# Altium PCB BEAGLEPLAYV020_220915.brd.PcbDoc (part 5 of 12)
Units mm, origin at the board's own origin, x right, y up, seen from the top; angles counter-clockwise.
Board outline 80 x 80 mm, 8 copper layers (TOP, LYR2_GND, LYR3, LAY4_PWR1, LAY5_PWR2, LAY6, LYR7_GND, BOTTOM), stack 1.545 mm thick; 782 components, 546 nets, 2864 pads, 2056 vias.
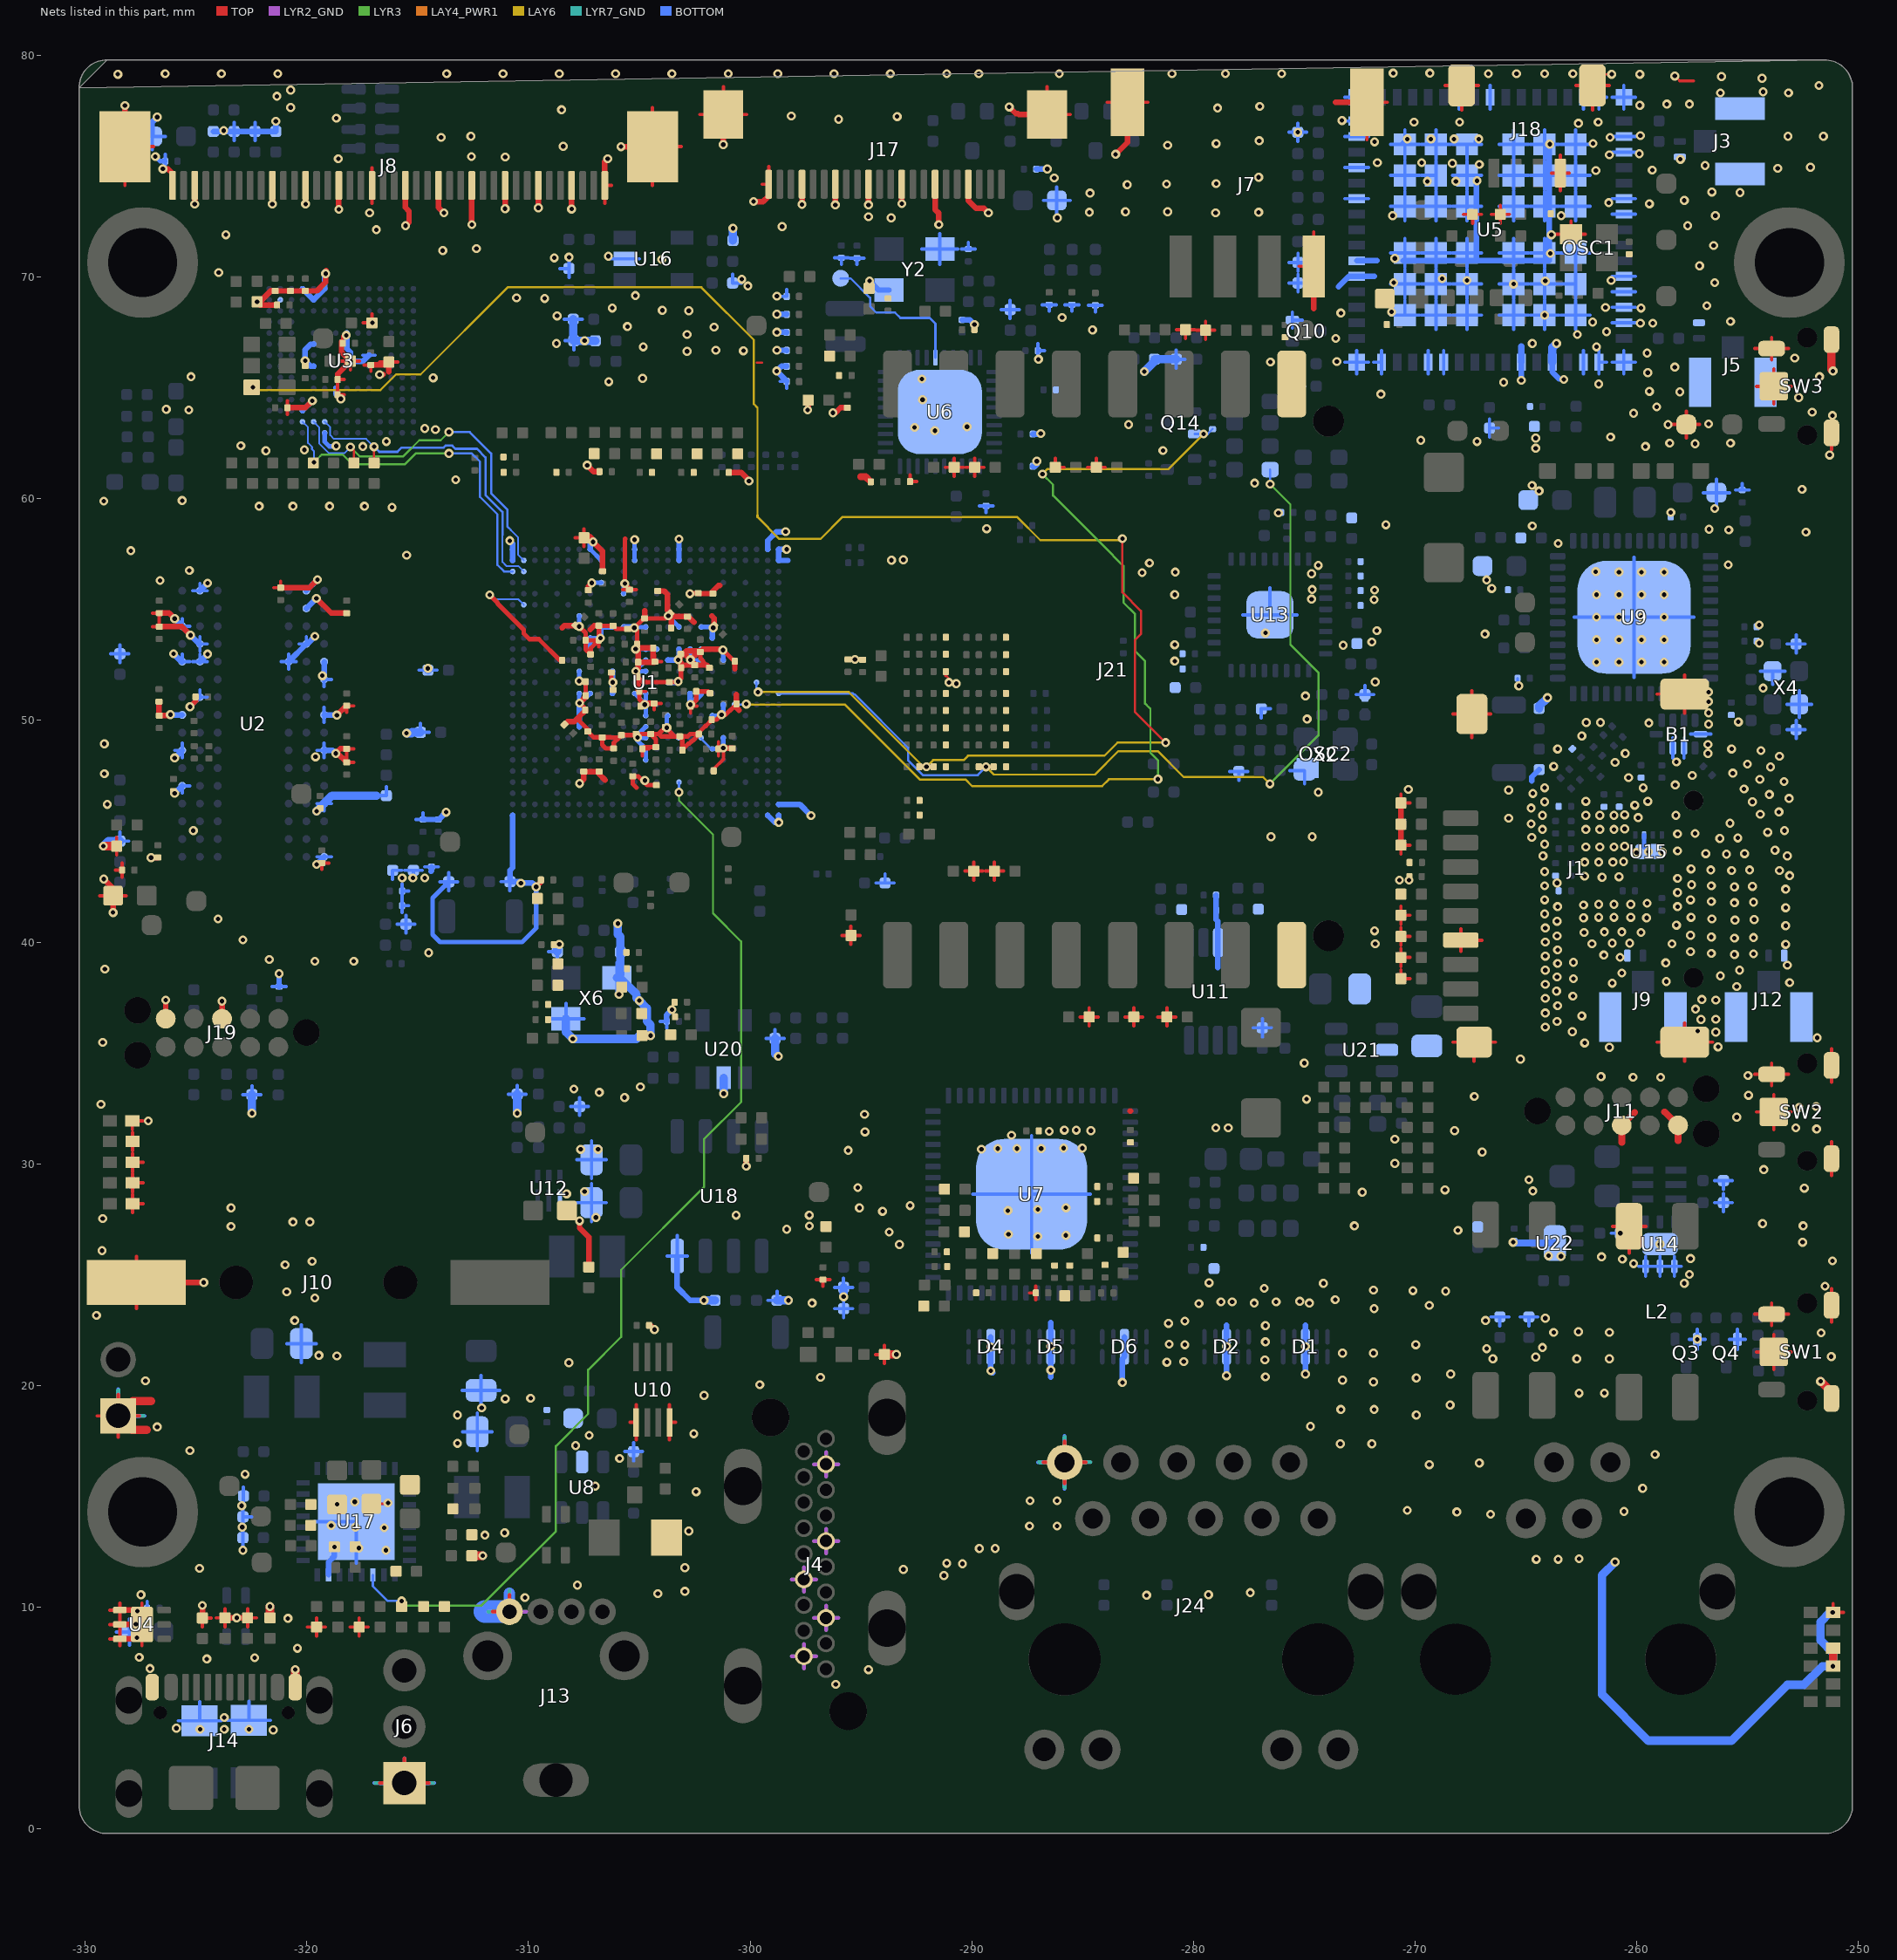
[diagram p11: the nets of this part, all layers, seen from the top]

## Via types
v1: diameter 0.406/0/0.406/0/0/0/0/0.406 (per signal layer), hole 0.203, TOP to BOTTOM, 334 vias
v2: diameter 0.406/0.406/0/0/0/0/0.406/0.406 (per signal layer), hole 0.203, TOP to BOTTOM, 282 vias
v3: diameter 0.406/0/0/0/0/0.406/0/0.406 (per signal layer), hole 0.203, TOP to BOTTOM, 255 vias
v4: diameter 0.406/0.406/0/0/0/0.406/0.406/0.406 (per signal layer), hole 0.203, TOP to BOTTOM, 253 vias
v5: diameter 0.406, hole 0.203, TOP to BOTTOM, 212 vias
v6: diameter 0.406/0.406/0.406/0/0/0.406/0.406/0.406 (per signal layer), hole 0.203, TOP to BOTTOM, 173 vias
v7: diameter 0.406/0/0/0.406/0/0/0/0.406 (per signal layer), hole 0.203, TOP to BOTTOM, 131 vias
v8: diameter 0.406/0/0/0/0.406/0/0/0.406 (per signal layer), hole 0.203, TOP to BOTTOM, 98 vias
v9: diameter 0.406/0.406/0/0.406/0/0/0.406/0.406 (per signal layer), hole 0.203, TOP to BOTTOM, 93 vias
v10: diameter 0.406/0/0.406/0/0/0.406/0/0.406 (per signal layer), hole 0.203, TOP to BOTTOM, 87 vias
v11: diameter 0.406/0.406/0/0.406/0/0.406/0.406/0.406 (per signal layer), hole 0.203, TOP to BOTTOM, 44 vias
v12: diameter 0.406/0.406/0.406/0.406/0/0.406/0.406/0.406 (per signal layer), hole 0.203, TOP to BOTTOM, 40 vias
v13: diameter 0.406/0.406/0.406/0/0/0/0.406/0.406 (per signal layer), hole 0.203, TOP to BOTTOM, 19 vias
v14: diameter 0.406/0/0/0.406/0/0.406/0/0.406 (per signal layer), hole 0.203, TOP to BOTTOM, 15 vias
v15: diameter 0.406/0/0/0/0.406/0.406/0/0.406 (per signal layer), hole 0.203, TOP to BOTTOM, 13 vias
v16: diameter 0.406/0/0.406/0/0.406/0/0/0.406 (per signal layer), hole 0.203, TOP to BOTTOM, 3 vias
v17: diameter 0.406/0/0.406/0.406/0/0/0/0.406 (per signal layer), hole 0.203, TOP to BOTTOM, 3 vias
v18: diameter 0.406/0.406/0.406/0.406/0/0/0.406/0.406 (per signal layer), hole 0.203, TOP to BOTTOM, 1 vias

## Nets (pads, with @x,y where several pads share a name; then routed paths per layer and width w, separated by ;. In a path a pad name is that pad's centre, name@x,y a point inside that pad or via, vN(x,y) a via of type N, cw(c..) or ccw(c..) an arc to the next point about the centre after c; other vN are vias at no path point) (continued)
EMMC_D5: R7.2 U1.AC1 U3.B4 | length 16.1
  TOP w0.102: R7.2@-319.706,61.615 v1(-319.675,61.646)
  LYR3 w0.097: v1(-319.675,61.646) -319.392,61.929 -319.39,61.929 -319.323,61.996 -318.389,61.996 -317.955,61.562 -315.57,61.562 -315.087,62.045 v1(-313.588,62.045)
  BOTTOM w0.081: U3.B4@-320.193,63.475 -319.944,63.226 -319.944,62.515 -319.766,62.336 -319.766,62.235 -319.675,62.145 v1(-319.675,61.646)
  BOTTOM w0.102: v1(-313.588,62.045) -312.56,62.045 -312.191,61.676 -312.191,60.089 -311.404,59.301 -311.404,57.015 -311.108,56.719 U1.AC1@-310.711,56.719
EMMC_D6: R6.2 U1.AD2 U3.B5 | length 16.4
  TOP w0.102: v1(-318.033,62.332) -317.877,62.176 R6.2@-317.877,61.615
  LYR3 w0.097: v1(-318.033,62.332) -317.619,61.918 -315.646,61.918 -314.927,62.636 -313.962,62.636 v1(-313.588,63.01)
  BOTTOM w0.081: U3.B5@-319.693,63.475 -319.444,63.226 -319.444,62.504 -318.992,62.052 -318.313,62.052 v1(-318.033,62.332) ; -310.794,58.59 -310.462,58.258 -310.462,57.471 U1.AD2@-310.211,57.22
  BOTTOM w0.102: v1(-313.588,63.01) -312.649,63.01 -311.683,62.045 -311.683,60.241 -310.947,59.505 -310.947,58.743 -310.794,58.59
EMMC_D7: R5.2 U1.AC2 U3.B6 | length 15.3
  TOP w0.102: v5(-316.967,62.349) -316.956,62.339 -316.956,62.195 -316.963,62.188 R5.2@-316.963,61.615
  BOTTOM w0.081: U3.B6@-319.193,63.475 -318.944,63.226 -318.944,62.874 -318.775,62.705 -317.322,62.705 v5(-316.967,62.349) ; -311.175,58.362 -311.175,57.142 -311.001,56.968 -310.46,56.968 U1.AC2@-310.211,56.719
  BOTTOM w0.102: v5(-316.967,62.349) -316.733,62.116 -315.913,62.116 -315.722,62.306 -313.83,62.306 -313.736,62.4 -313.441,62.4 -313.296,62.255 -312.326,62.255 -311.937,61.867 -311.937,60.165 -311.175,59.403 -311.175,58.362
EMMC_RSTN: D56.2 R182.2 R199.1 U1.N23 | length 83
  TOP w0.102: D56.2@-322.491,65.024 v3(-322.428,65.024) ; R182.2@-292.377,47.914 v3(-292.049,47.914) R199.1@-291.729,47.914 ; v3(-283.21,58.206) -283.21,55.778 -282.372,54.94 -282.372,53.899 -282.651,53.619 -282.651,50.399 v3(-281.254,49.002)
  LAY6 w0.097: v3(-322.428,65.024) -322.304,64.901 -316.684,64.901 -315.976,65.608 -314.866,65.608 -310.937,69.538 -302.203,69.538 -299.835,67.17 -299.835,64.275 -299.669,64.11 -299.669,59.251 ; -297.104,51.283 -295.546,51.283 -292.202,47.939 -292.083,47.939 -292.058,47.914 v3(-292.049,47.914) -291.749,48.213 -290.369,48.213 -290.17,48.412 -284.02,48.412 -283.431,49.002 v3(-281.254,49.002) ; -297.104,58.191 -296.824,58.191 -295.834,59.182 -287.96,59.182 -286.913,58.136 -283.28,58.136 v3(-283.21,58.206)
  LAY6 w0.102: -299.669,59.251 -299.669,59.182 -298.679,58.191 -297.104,58.191 ; v3(-299.644,51.283) -297.104,51.283
  BOTTOM w0.102: U1.N23@-299.711,51.719 -299.711,51.35 v3(-299.644,51.283)
EXTINTN: R160.2 U1.D16 U17.11 | length 49.2
  TOP w0.102: R160.2@-315.722,10.038 v1(-315.722,10.287)
  LYR3 w0.097: v1(-315.722,10.287) -315.519,10.084 -312.115,10.084 -308.762,13.437 -308.762,17.271 -307.304,18.729 -307.304,20.711 -305.816,22.2 -305.816,25.222 -302.082,28.956 -302.082,31.115 -300.406,32.791 -300.406,40.03 -301.676,41.3 -301.676,44.856 -303.211,46.392 v1(-303.211,46.76)
  BOTTOM w0.102: U17.11@-317.021,11.463 -317.021,10.951 -316.357,10.287 v1(-315.722,10.287) ; v1(-303.211,46.76) U1.D16@-303.211,47.22
GBE_CLKO: TP8.1 U6.35 | length 6.9
  BOTTOM w0.102: TP8.1@-295.918,69.943 -295.469,69.943 -294.589,69.063 -294.589,68.682 -294.31,68.402 -293.472,68.402 -293.226,68.157 -291.905,68.157 -291.643,67.894 U6.35@-291.643,66.367
GBE_INTN: Q14.2 R259.2 U1.L21 | length 45.6
  LYR3 w0.097: v10(-286.817,61.112) -286.334,60.63 -286.334,60.148 -284.089,57.902 -284.089,57.9 -283.159,56.97 -283.159,55.321 -282.651,54.813 -282.651,53.142 -282.184,52.675 -282.184,50.762 -282.015,50.593 -281.945,50.523 -281.945,48.547 -281.607,48.209 v10(-281.607,47.357)
  LAY6 w0.097: -297.104,50.724 -295.733,50.724 -292.346,47.337 -290.288,47.337 -289.992,47.041 -284.124,47.041 -283.817,47.348 -281.633,47.348 -281.624,47.357 v10(-281.607,47.357) ; v10(-286.817,61.112) -286.582,61.347 -281.121,61.347 v3(-279.545,62.924)
  LAY6 w0.102: v3(-300.177,50.742) -300.159,50.724 -297.104,50.724
  BOTTOM w0.102: U1.L21@-300.711,50.719 -300.199,50.719 v3(-300.177,50.742) ; Q14.2@-279.952,62.924 v3(-279.545,62.924) -279.363,62.924 R259.2@-279.142,63.144
GBE_RSTN: D32.2 R183.2 R200.1 U1.M25 | length 42
  TOP w0.102: R183.2@-289.686,47.914 -289.493,47.914 -289.488,47.908 v3(-289.361,47.908) -289.277,47.908 -289.271,47.914 R200.1@-289.019,47.914
  LYR3 w0.097: v10(-276.554,47.143) -274.371,49.327 -274.371,52.161 -275.631,53.422 -275.631,59.745 v1(-276.546,60.661)
  LAY6 w0.097: v3(-289.361,47.908) -289.255,47.803 -289.246,47.803 -289.004,47.56 -284.448,47.56 -283.393,48.616 -281.61,48.616 -280.441,47.447 -276.86,47.447 v10(-276.554,47.143) v10(-276.554,47.143)
  BOTTOM w0.102: U1.M25@-298.711,51.22 -295.364,51.22 -295.316,51.172 -295.281,51.172 -292.879,48.77 -292.879,48.204 -292.207,47.533 -289.736,47.533 v3(-289.361,47.908) ; v1(-276.546,60.661) D32.2@-276.546,61.316
GND: B1.2 B1.3 B1.10 C2.2 C3.2 C4.2 C5.2 C6.2 C7.2 C8.2 C9.2 C10.2 C11.2 C16.2 C17.2 C18.2 C20.2 C22.2 C23.2 C24.2 C29.2 C30.2 C31.2 C32.2 C33.2 C34.2 C35.2 C36.2 C37.2 C38.2 C39.2 C40.2 C41.2 C42.2 C43.2 C44.2 C46.2 C47.2 C48.2 C49.2 C50.2 C51.2 C52.2 C53.2 C54.2 C55.2 C56.2 C57.2 C58.2 C59.2 C60.2 C61.2 C62.2 C63.2 C64.2 C65.2 C66.2 C67.2 C68.2 C69.2 C70.2 C71.2 C72.2 C73.2 C74.2 C75.2 C76.2 C77.2 C78.2 C79.2 C80.2 C81.2 C83.2 C84.2 C85.2 C86.2 C87.2 C88.2 C89.2 C90.1 C91.2 C92.2 C93.2 C94.2 C95.2 C96.2 C99.2 C100.2 C101.2 C102.2 C103.2 C104.2 C105.1 C107.2 C108.2 C109.2 C110.2 C111.2 C112.2 C113.2 C114.2 C115.2 C116.2 C117.2 C118.2 C119.2 C120.2 C122.2 C123.2 C124.2 C125.2 C126.2 C127.2 C128.2 C129.2 C130.2 C131.2 C132.2 C133.2 C134.2 C135.2 C136.2 C137.2 C138.2 C139.2 C140.2 C141.2 C142.2 C143.2 C144.2 C145.2 C146.2 C147.2 C148.2 C149.2 C150.2 C151.2 C152.2 C153.2 C154.2 C155.2 C156.2 C157.2 C158.2 C159.2 C160.2 C161.2 C162.2 C163.2 C164.2 C165.2 C166.2 C167.2 C168.2 C169.2 C170.2 C171.2 C172.2 C173.2 C174.2 C175.2 C176.2 C177.2 C178.2 C179.2 C180.2 C181.2 C182.2 C183.2 C184.2 C185.2 C186.2 C187.2 C188.2 C189.2 C190.2 C191.2 C192.2 C193.2 C194.2 C195.2 C196.2 C197.2 C198.2 C199.2 C200.2 C201.2 C202.2 C203.2 C204.2 C205.2 C206.2 C207.2 C208.2 C209.2 C210.2 C211.2 C212.2 C213.2 C214.2 C215.2 C216.2 C217.2 C218.2 C219.2 C220.2 C221.2 C222.2 C223.2 C224.2 C225.2 C226.2 C227.2 C228.2 C229.2 C230.2 C231.2 C232.2 C233.2 C234.2 C235.2 C236.2 C237.2 C238.2 C239.2 C240.2 C241.2 C242.2 C243.2 C244.2 C245.2 C247.2 C248.2 C249.2 C250.2 C251.2 C252.2 C253.2 C254.2 C255.2 C258.2 C259.2 C260.2 C261.2 C262.2 C263.2 C264.2 C265.2 C266.2 C267.2 C268.2 C269.2 C270.2 C271.2 C272.2 C273.2 C274.2 C275.2 C276.2 C294.2 C295.2 C296.2 C297.2 C298.2 C299.2 C300.2 D1.3 D1.8 D2.3 D2.8 D4.3 D4.8 D5.3 D5.8 D6.3 D6.8 D7.1 D8.1 D9.1 D10.1 D13.1 D14.1 D15.1 D16.1 D17.1 D18.1 D19.1 D20.1 D24.1 D25.1 D26.1 D27.1 D28.1 D29.1 D30.1 D31.1 D36.1 D37.1 D38.1 D39.1 D40.1 D41.1 D42.1 D43.1 D44.1 D45.1 D52.1 D73.1 D74.1 J1.6 J1.10 J1.11 J1.12 J1.13 J3.2 J3.3 J4.2 J4.5 J4.8 J4.11 J4.17 J5.2 J5.3 J6.1 J7.4 J7.5 J7.6 J8.1 J8.4 J8.7 J8.10 J8.13 J8.16 J8.19 J8.22 J8.25 J8.28 J8.31 J8.38 J8.40 J8.41 J8.42 J9.2 J9.3 J10.1 J11.3 J11.5 J12.2 J12.3 J13.4 J14.B1 J14.B12 J16.1 J17.1 J17.4 J17.7 J17.10 J17.13 J17.16 J17.19 J17.23 J17.24 J18.1 J18.5 J18.6 J19.3 J19.5 J21.1 J21.16 J24.1 L2.2 L12.1 LED3.2 LED4.2 LED5.2 LED6.2 LED7.2 LED8.2 LED9.2 LED11.2 OSC1.2 OSC2.2 Q3.2 Q4.2 Q10.2 R1.2 R15.2 R17.2 R20.2 R22.2 R28.2 R29.2 R33.2 R38.1 R41.1 R43.1 R45.1 R47.1 R55.2 R56.2 R59.2 R61.1 R66.2 R82.2 R83.2 R85.2 R87.2 R88.1 R89.2 R91.2 R93.2 R94.1 R124.2 R128.2 R129.2 R130.2 R131.2 R141.2 R147.2 R152.2 R153.2 R158.2 R187.2 R188.2 R189.2 R190.2 R191.2 R192.2 R193.2 R194.2 R195.2 R196.2 R197.2 R198.2 R199.2 R200.2 R212.2 R213.2 R215.2 R218.2 R220.2 R240.2 R241.2 R242.2 R243.2 R249.1 R251.2 R253.1 R256.2 R261.2 R272.2 R276.2 R277.2 R278.2 R308.1 R310.1 SW1.1 SW1.S1 SW1.S2 SW1.S3 SW2.1 SW2.S1 SW2.S2 SW2.S3 SW3.1 SW3.S1 SW3.S2 SW3.S3 TP28.1 U1.A1 U1.A24 U1.A25 U1.AA11 U1.AB9 U1.AD1 U1.AD9 U1.AD12 U1.AD16 U1.AD25 U1.AE1 U1.AE8 U1.AE12 U1.AE16 U1.AE24 U1.AE25 U1.B25 U1.F13 U1.G13 U1.G19 U1.H13 U1.H16 U1.H18 U1.H20 U1.J7 U1.J13 U1.K7 U1.K13 U1.K15 U1.K19 U1.L20 U1.M7 U1.M8 U1.M10 U1.M12 U1.M13 U1.M17 U1.M18 U1.N15 U1.P7 U1.P10 U1.P13 U1.R13 U1.R15 U1.R18 U1.R20 U1.T8 U1.T13 U1.T14 U1.T16 U1.T17 U1.T18 U1.U8 U1.U19 U1.V9 U1.V10 U1.V11 U1.V13 U1.V16 U1.V18 U1.W7 U1.Y2 U2.A2 U2.A8 U2.B2 U2.C9 U2.D2 U2.D8 U2.E1 U2.E3 U2.E8 U2.E9 U2.F1 U2.G8 U2.H1 U2.H9 U2.K1 U2.K9 U2.M9 U2.N1 U2.T1 U3.A6 U3.C4 U3.E7 U3.G5 U3.H10 U3.J5 U3.K8 U3.N2 U3.N5 U3.P4 U3.P6 U4.1 U4.2 U4.3 U4.7 U5.1 U5.7 U5.9 U5.15 U5.16 U5.17 U5.19 U5.20 U5.23 U5.24 U5.28 U5.29 U5.30 U5.31 U5.33 U5.34 U5.35 U5.37 U5.39 U5.44 U5.45 U5.48 U5.49 U5.54 U5.55 U5.59 U5.61 U5.63 U5.64 U5.G1 U5.G2 U5.G3 U5.G4 U5.G5 U5.G6 U5.G7 U5.G8 U5.G9 U5.G10 U5.G11 U5.G12 U5.G13 U5.G14 U5.G15 U5.G16 U5.G17 U5.G18 U5.G19 U5.G20 U5.G21 U5.G22 U5.G23 U5.G24 U5.G25 U5.G26 U5.G27 U5.G28 U5.G29 U5.G30 U5.G31 U5.G32 U5.G33 U5.G34 U5.G35 U5.G36 U6.41 U7.65 U8.2 U9.49 U10.1 U10.4 U11.3 U12.4 U13.33 U14.1 U14.2 U14.3 U14.7 U15.6 U15.9 U16.2 U17.15 U17.33 U18.4 U20.2 U21.2 U22.5 U22.7 X2.2 X4.2 X4.4 X6.2 X6.4 Y2.2 Y2.4 | length 839.7
  TOP w0.102: C63.2@-317.085,14.668 -316.471,14.668 -316.433,14.707 v2(-316.336,14.707) ; -299.695,66.142 -299.456,66.142 ; -291.17,52.029 -291.059,51.918 -291.059,51.737 v2(-291.036,51.714) ; J18.5@-261.641,78.643 -261.641,78.948 -261.442,79.146 v4(-261.137,79.146) ; v4(-258.293,79.07) -258.072,78.849
  TOP w0.152: -329.46,18.635 J16.1@-328.507,18.635 ; -329.338,42.097 C109.2@-328.741,42.097 -328.143,42.097 ; -328.888,8.574 U4.3@-328.435,8.574 ; -328.888,9.224 U4.2@-328.435,9.224 ; -328.888,9.874 U4.1@-328.435,9.874 ; -328.625,43.252 C101.2@-328.332,43.252 ; -328.577,43.929 C80.2@-328.577,44.332 -328.577,44.735 ; -328.507,17.682 J16.1@-328.507,18.635 ; -328.507,19.588 J16.1@-328.507,18.635 ; -328.435,8.271 U4.3@-328.435,8.574 ; -328.435,8.877 U4.3@-328.435,8.574 ; -328.435,8.921 U4.2@-328.435,9.224 ; -328.435,9.527 U4.2@-328.435,9.224 ; -328.435,9.571 U4.1@-328.435,9.874 ; -328.435,10.177 U4.1@-328.435,9.874 ; -328.332,42.94 C101.2@-328.332,43.252 ; -328.332,43.564 C101.2@-328.332,43.252 ; -328.206,74.128 J8.42@-328.206,75.881 -326.903,75.881 ; -327.868,31.535 LED3.2@-327.868,31.942 -327.397,31.942 ; -327.86,27.801 LED7.2@-327.86,28.208 ; -327.86,28.615 LED7.2@-327.86,28.208 ; -327.86,28.741 LED6.2@-327.86,29.148 ; -327.86,29.555 LED6.2@-327.86,29.148 ; -327.86,29.663 LED5.2@-327.86,30.07 ; -327.86,30.477 LED5.2@-327.86,30.07 ; -327.86,30.603 LED4.2@-327.86,31.01 -327.86,31.417 ; -327.685,23.485 J10.1@-327.685,24.653 -327.685,25.822 ; -327.554,18.635 J16.1@-328.507,18.635 ; -327.435,8.271 U4.7@-327.435,9.224 -327.435,10.177 ; -327.39,28.208 LED7.2@-327.86,28.208 ; -327.39,29.148 LED6.2@-327.86,29.148 ; -327.39,30.07 LED5.2@-327.86,30.07 ; -326.964,54.234 C81.2@-326.653,54.234 -326.653,54.527 ; -326.964,54.845 C102.2@-326.653,54.845 -326.653,54.552 ; -324.71,9.115 R129.2@-324.71,9.518 -324.307,9.518 ; -324.092,9.523 D25.1@-323.689,9.523 ; -323.689,9.12 D25.1@-323.689,9.523 ; -323.689,9.926 D25.1@-323.689,9.523 ; -322.673,9.121 D24.1@-322.673,9.524 ; -322.673,9.927 D24.1@-322.673,9.524 ; -322.27,9.524 D24.1@-322.673,9.524 ; -321.491,55.99 C114.2@-321.179,55.99 -321.179,56.282 ; -320.874,63.799 C76.2@-320.874,64.111 -320.874,64.422 ; -319.964,9.11 R215.2@-319.561,9.11 ; -319.561,8.707 R215.2@-319.561,9.11 ; -319.561,9.513 R215.2@-319.561,9.11 ; -319.32,43.281 C117.2@-319.32,43.574 -319.009,43.574 ; -319.158,9.11 R215.2@-319.561,9.11 ; -318.61,65.006 C73.2@-318.61,64.695 -318.318,64.695 ; -318.606,65.069 C68.2@-318.606,65.381 -318.314,65.381 ; -318.434,66.207 v2(-318.031,66.207) ; -318.385,66.703 C65.2@-318.385,67.014 v2@-318.385,67.326 ; -318.203,48.41 C99.2@-318.203,48.118 -317.891,48.118 ; -318.203,48.435 C120.2@-318.203,48.727 -317.891,48.727 ; -318.203,50.368 C116.2@-318.203,50.66 -317.891,50.66 ; -318.043,9.111 R55.2@-317.64,9.111 ; -318.031,65.804 v2(-318.031,66.207) ; -317.64,8.708 R55.2@-317.64,9.111 ; -317.64,9.514 R55.2@-317.64,9.111 ; -317.628,66.207 v2(-318.031,66.207) ; -317.465,67.934 R20.2@-317.062,67.934 -317.062,68.337 ; -317.422,66.037 C66.2@-317.11,66.037 -317.11,65.744 ; -317.237,9.111 R55.2@-317.64,9.111 ; -317.056,73.328 J8.22@-317.056,74.131 -317.056,74.934 ; -316.702,2.077 J6.1@-315.597,2.077 ; -316.701,66.167 C69.2@-316.298,66.167 -315.894,66.167 ; -315.597,3.182 J6.1@-315.597,2.077 ; -314.492,2.077 J6.1@-315.597,2.077 ; -311.615,9.804 J13.4@-310.862,9.804 -310.862,10.557 ; -307.895,58.24 R130.2@-307.492,58.24 ; -307.492,57.837 R130.2@-307.492,58.24 ; -307.492,58.643 R130.2@-307.492,58.24 ; -307.119,53.629 C156.2@-306.826,53.629 -306.826,53.317 ; -306.556,73.328 J8.1@-306.556,74.131 -306.253,74.131 ; -305.755,55.902 C208.2@-305.444,55.902 -305.132,55.902 ; -305.42,18.343 U10.1@-305.14,18.343 ; -305.14,17.555 U10.1@-305.14,18.343 ; -305.14,19.131 U10.1@-305.14,18.343 ; -304.999,51.621 C187.2@-304.999,51.309 -304.707,51.309 ; -304.858,48.407 C137.2@-304.858,48.718 -304.566,48.718 ; -304.612,52.65 C176.2@-304.301,52.65 ; -304.406,74.128 J8.41@-304.406,75.881 ; -304.406,77.634 J8.41@-304.406,75.881 ; -304.334,50.479 C162.2@-304.334,50.772 -304.023,50.772 ; -304.301,52.943 C176.2@-304.301,52.65 ; -303.989,52.65 C176.2@-304.301,52.65 ; -303.641,17.555 U10.4@-303.641,18.343 ; -303.641,19.131 U10.4@-303.641,18.343 ; -303.361,18.343 U10.4@-303.641,18.343 ; -303.103,75.881 J8.41@-304.406,75.881 ; -302.688,50.337 C188.2@-302.688,50.649 -302.395,50.649 ; v2@-302.656,55.738 C142.2@-302.345,55.738 -302.033,55.738 ; -302.264,77.334 J17.24@-301.211,77.334 ; C154.2@-301.647,47.728 -301.647,47.811 -301.211,48.247 v2(-301.211,48.758) ; -301.429,48.407 C139.2@-301.429,48.718 -301.429,49.03 ; -301.211,78.587 J17.24@-301.211,77.334 ; -300.158,77.334 J17.24@-301.211,77.334 ; -299.464,74.187 J17.1@-299.161,74.187 -299.161,74.989 ; -297.026,24.778 C245.2@-296.714,24.778 ; -296.714,24.485 C245.2@-296.714,24.778 ; -296.403,24.778 C245.2@-296.714,24.778 ; -295.856,40.304 D31.1@-295.453,40.304 ; -295.453,39.901 D31.1@-295.453,40.304 ; -295.453,40.708 D31.1@-295.453,40.304 ; -295.05,40.304 D31.1@-295.453,40.304 ; -294.346,21.404 D7.1@-293.943,21.404 ; -293.943,21 D7.1@-293.943,21.404 ; -293.943,21.807 D7.1@-293.943,21.404 ; -292.789,61.084 C94.2@-292.789,60.772 -292.496,60.772 ; -291.197,61.417 D36.1@-290.794,61.417 ; -291.17,52.029 R189.2@-291.17,52.205 ; -290.794,61.014 D36.1@-290.794,61.417 ; -290.794,61.82 D36.1@-290.794,61.417 ; -290.391,61.417 D36.1@-290.794,61.417 ; -290.313,43.205 D45.1@-289.91,43.205 ; -290.273,61.417 D37.1@-289.87,61.417 ; -289.91,42.802 D45.1@-289.91,43.205 ; -289.91,43.608 D45.1@-289.91,43.205 ; -289.87,61.014 D37.1@-289.87,61.417 ; -289.87,61.82 D37.1@-289.87,61.417 ; -289.507,43.205 D45.1@-289.91,43.205 ; -289.467,61.417 D37.1@-289.87,61.417 ; -289.384,43.205 D44.1@-288.981,43.205 ; -288.981,42.802 D44.1@-288.981,43.205 ; -288.981,43.608 D44.1@-288.981,43.205 ; -288.578,43.205 D44.1@-288.981,43.205 ; -287.406,24.182 C248.2@-287.113,24.182 ; -287.113,23.871 C248.2@-287.113,24.182 ; -287.113,24.494 C248.2@-287.113,24.182 ; -286.769,16.54 J24.1@-285.816,16.54 ; -286.611,78.587 J17.23@-286.611,77.334 -285.558,77.334 ; -286.238,61.82 D38.1@-286.238,61.417 -285.835,61.417 ; -285.816,15.587 J24.1@-285.816,16.54 ; -285.816,17.493 J24.1@-285.816,16.54 ; -285.112,36.627 D43.1@-284.709,36.627 ; -284.863,16.54 J24.1@-285.816,16.54 ; -284.787,61.417 D39.1@-284.384,61.417 ; -284.709,36.224 D43.1@-284.709,36.627 ; -284.709,37.03 D43.1@-284.709,36.627 ; -284.384,61.82 D39.1@-284.384,61.417 ; -284.306,36.627 D43.1@-284.709,36.627 ; -283.981,61.417 D39.1@-284.384,61.417 ; -283.895,77.886 J7.6@-282.98,77.886 -282.065,77.886 ; -283.094,36.627 D42.1@-282.691,36.627 ; -282.691,36.224 D42.1@-282.691,36.627 ; -282.691,37.03 D42.1@-282.691,36.627 ; -282.288,36.627 D42.1@-282.691,36.627 ; -281.607,36.627 D41.1@-281.204,36.627 ; -281.204,36.224 D41.1@-281.204,36.627 ; -281.204,37.03 D41.1@-281.204,36.627 ; -280.801,36.627 D41.1@-281.204,36.627 ; -280.764,67.627 D20.1@-280.361,67.627 ; -280.361,67.224 D20.1@-280.361,67.627 ; -279.958,67.627 D20.1@-280.361,67.627 ; -279.859,67.603 D19.1@-279.456,67.603 ; -279.456,67.2 D19.1@-279.456,67.603 ; -279.456,68.006 D19.1@-279.456,67.603 ; -279.053,67.603 D19.1@-279.456,67.603 ; -275.241,70.486 J7.4@-274.58,70.486 -274.58,72.036 ; -272.18,76.209 J7.5@-272.18,77.886 -271.265,77.886 ; -270.642,38.758 D18.1@-270.642,38.355 -270.239,38.355 ; -270.642,38.909 D9.1@-270.642,39.313 ; -270.642,39.716 D9.1@-270.642,39.313 ; -270.642,39.857 D13.1@-270.642,40.26 ; -270.642,40.663 D13.1@-270.642,40.26 ; -270.642,40.815 D14.1@-270.642,41.218 ; -270.642,41.621 D14.1@-270.642,41.218 ; -270.642,43.974 D15.1@-270.642,44.377 -270.239,44.377 ; -270.642,46.683 D17.1@-270.642,46.28 -270.239,46.28 ; -270.239,39.313 D9.1@-270.642,39.313 ; -270.239,40.26 D13.1@-270.642,40.26 ; -270.239,41.218 D14.1@-270.642,41.218 ; -268.656,78.643 J18.6@-267.903,78.643 ; -268.298,35.491 J1.10@-267.345,35.491 ; -268.297,50.291 J1.13@-267.444,50.291 ; -267.945,39.588 J1.6@-267.945,40.091 ; -267.945,40.594 J1.6@-267.945,40.091 ; -267.903,77.54 J18.6@-267.903,78.643 ; -267.818,72.83 D30.1@-267.415,72.83 ; -267.444,49.238 J1.13@-267.444,50.291 ; -267.444,51.344 J1.13@-267.444,50.291 ; -267.415,72.427 D30.1@-267.415,72.83 ; -267.345,34.638 J1.10@-267.345,35.491 ; -267.15,78.643 J18.6@-267.903,78.643 ; -267.011,72.83 D30.1@-267.415,72.83 ; -266.992,40.091 J1.6@-267.945,40.091 ; -266.592,50.291 J1.13@-267.444,50.291 ; -266.562,72.83 D29.1@-266.159,72.83 ; -266.392,35.491 J1.10@-267.345,35.491 ; -266.159,72.427 D29.1@-266.159,72.83 ; -266.159,73.234 D29.1@-266.159,72.83 ; -265.756,72.83 D29.1@-266.159,72.83 ; -263.856,74.693 J18.1@-263.453,74.693 ; -263.627,71.928 OSC1.2@-262.974,71.928 ; -263.453,73.89 J18.1@-263.453,74.693 ; -263.453,75.496 J18.1@-263.453,74.693 ; -263.05,74.693 J18.1@-263.453,74.693 ; -262.974,72.531 OSC1.2@-262.974,71.928 ; -262.756,78.643 J18.5@-262.003,78.643 -262.003,77.54 ; -262.321,71.928 OSC1.2@-262.974,71.928 ; J18.5@-261.641,78.643 -261.25,78.643 ; -261.103,27.183 L2.2@-260.35,27.183 ; -260.35,25.98 L2.2@-260.35,27.183 ; -259.597,27.183 L2.2@-260.35,27.183 ; -259.098,35.491 J1.11@-257.845,35.491 ; -259.098,51.191 J1.12@-257.845,51.191 ; -258.376,63.35 TP28.1@-257.773,63.35 ; -258.072,78.849 -257.446,78.849 ; -257.845,34.638 J1.11@-257.845,35.491 ; -257.845,36.344 J1.11@-257.845,35.491 ; -257.845,50.338 J1.12@-257.845,51.191 ; -257.845,52.044 J1.12@-257.845,51.191 ; -257.773,62.747 TP28.1@-257.773,63.35 ; -257.773,63.953 TP28.1@-257.773,63.35 ; -257.17,63.35 TP28.1@-257.773,63.35 ; -256.592,35.491 J1.11@-257.845,35.491 ; -254.676,23.221 SW1.1@-253.924,23.221 ; -254.676,34.042 SW2.1@-253.924,34.042 ; -254.676,66.775 SW3.1@-253.924,66.775 ; -254.612,21.521 SW1.S2@-253.824,21.521 ; -254.612,32.342 SW2.S2@-253.824,32.342 ; -254.612,65.075 SW3.S2@-253.824,65.075 ; -253.924,22.719 SW1.1@-253.924,23.221 ; -253.924,23.724 SW1.1@-253.924,23.221 ; -253.924,33.539 SW2.1@-253.924,34.042 ; -253.924,34.545 SW2.1@-253.924,34.042 ; -253.924,66.272 SW3.1@-253.924,66.775 ; -253.924,67.278 SW3.1@-253.924,66.775 ; -253.824,20.734 SW1.S2@-253.824,21.521 ; -253.824,22.309 SW1.S2@-253.824,21.521 ; -253.824,31.554 SW2.S2@-253.824,32.342 ; -253.824,33.13 SW2.S2@-253.824,32.342 ; -253.824,64.287 SW3.S2@-253.824,65.075 ; -253.824,65.863 SW3.S2@-253.824,65.075 ; -253.171,23.221 SW1.1@-253.924,23.221 ; -253.171,34.042 SW2.1@-253.924,34.042 ; -253.171,66.775 SW3.1@-253.924,66.775 ; -253.036,21.521 SW1.S2@-253.824,21.521 ; -253.036,32.342 SW2.S2@-253.824,32.342 ; -253.036,65.075 SW3.S2@-253.824,65.075 ; -251.224,22.869 SW1.S1@-251.224,23.621 -251.224,24.374 ; -251.224,29.489 SW2.S3@-251.224,30.242 -251.224,30.995 ; -251.224,33.689 SW2.S1@-251.224,34.442 -251.224,35.195 ; -251.224,62.222 SW3.S3@-251.224,62.975 v4@-251.224,63.728 ; -251.149,10.171 LED11.2@-251.149,9.764 -250.679,9.764
  TOP w0.203: v9(-311.747,55.664) -311.477,55.395 -311.389,55.306 -311.389,55.273 -310.21,54.094 -310.21,53.924 -309.956,53.67 -309.537,53.67 -308.576,52.709 C273.2@-308.483,52.709 ; C193.2@-307.876,54.284 -307.758,54.284 v2(-307.711,54.237) -307.424,53.95 C140.2@-307.424,53.62 ; -307.703,50.183 -307.703,49.976 -307.323,49.597 C194.2@-307.323,49.501 -307.062,49.239 C212.2@-306.671,49.239 ; v2(-307.696,50.787) -307.434,50.526 C228.2@-307.434,50.471 ; C227.2@-307.42,51.114 C182.2@-307.42,51.749 ; C197.2@-306.26,52.164 -306.26,51.785 v2(-306.195,51.719) -306.18,51.705 C165.2@-306.18,51.372 ; -305.638,58.191 -305.656,58.174 v2(-305.656,56.177) -305.444,55.965 C208.2@-305.444,55.902 ; v2(-305.156,52.219) -305.076,52.139 C196.2@-305.076,51.969 ; C202.2@-305.147,49.392 -305.198,49.341 C185.2@-305.807,49.341 C185.2@-305.91,49.238 ; -305.13,46.965 -305.299,47.134 C221.2@-305.299,47.487 -305.05,47.487 -304.909,47.346 -304.876,47.346 -304.825,47.295 v2(-304.749,47.294) -304.749,47.218 -304.724,47.193 -304.724,47.16 -304.648,47.084 C272.2@-304.228,47.084 ; C192.2@-305.101,53.443 -305.101,54.054 v2(-305.224,54.177) ; v2(-305.079,49.238) -304.926,49.392 C180.2@-304.487,49.392 ; C189.2@-304.949,50.649 -304.826,50.772 v2@-304.702,50.772 ; C137.2@-304.858,48.718 -304.778,48.798 C210.2@-304.25,48.798 -304.25,49.155 C180.2@-304.487,49.392 ; v2(-304.754,50.719) -304.999,50.965 C187.2@-304.999,51.309 -305.076,51.385 C196.2@-305.076,51.969 ; C220.2@-303.596,54.838 -303.828,54.606 C198.2@-304.758,54.606 -304.795,54.606 v2(-305.224,54.177) ; C200.2@-303.12,52.376 -303.12,51.896 v2(-303.253,51.763) -303.28,51.736 C199.2@-303.64,51.736 -304.842,51.736 C196.2@-305.076,51.969 ; C144.2@-303.06,48.663 C144.2@-303.06,48.682 ; v2(-302.717,55.72) v2@-302.692,55.745 ; C188.2@-302.688,50.649 -302.434,50.903 C184.2@-302.434,51.309 -301.892,51.309 C213.2@-301.811,51.228 ; v2@-302.674,55.763 v2@-302.692,55.745 ; C142.2@-302.345,55.738 -302.352,55.745 v2@-302.692,55.745 ; C217.2@-302.251,53.09 -302.251,52.808 -302.135,52.692 -302.135,52.666 -302.129,52.66 -302.129,52.641 -301.86,52.372 C218.2@-301.841,52.372 ; C139.2@-301.429,48.718 -301.405,48.743 v2@-301.195,48.743 ; v2(-301.229,53.177) -301.221,53.177 -300.724,52.68 C141.2@-300.693,52.68 ; C211.2@-300.622,50.731 -300.89,50.462 -300.909,50.462 -301.113,50.259 v2(-301.295,50.259) -301.515,50.039 C143.2@-301.734,50.039 -301.734,50.02 -302.003,49.751 -302.022,49.751 -302.315,49.459 C219.2@-302.315,49.387 ; C140.2@-307.424,53.62 C156.2@-306.835,53.62 ; C140.2@-307.424,53.62 -307.424,53.208 C226.2@-307.196,52.981 -307.196,53.259 C156.2@-306.835,53.62 ; C156.2@-306.835,53.62 C156.2@-306.826,53.629 -306.823,53.632 C168.2@-306.823,54.277 -306.815,54.268 C167.2@-306.188,54.268 -306.045,54.125 C152.2@-305.528,54.125 -305.276,54.125 v2(-305.224,54.177) ; C212.2@-306.671,49.239 -306.671,48.893 -306.517,48.739 C216.2@-306.155,48.739 -306.155,48.993 C185.2@-305.91,49.238 ; C212.2@-306.671,49.239 -306.309,49.239 -306.308,49.238 C185.2@-305.91,49.238 ; C180.2@-304.487,49.392 -304.131,49.392 ; -304.131,49.392 -304.125,49.392 -304.015,49.282 -303.412,49.282 ; -304.131,49.392 C183.2@-303.826,49.696 -303.412,49.282 ; -303.412,49.282 C201.2@-303.179,49.282 ; C201.2@-303.179,49.282 -303.06,49.163 C144.2@-303.06,48.682 ; C201.2@-303.179,49.282 -302.817,49.282 -302.712,49.387 C219.2@-302.315,49.387 ; C144.2@-303.06,48.682 -302.792,48.951 -302.75,48.951 -302.602,49.099 -302.583,49.099 -302.315,49.368 C219.2@-302.315,49.387
  TOP w0.254: v9(-329.159,42.85) -328.741,42.432 C109.2@-328.741,42.097 v9(-328.741,41.34) ; U4.3@-328.435,8.574 -327.722,8.574 v2(-327.66,8.636) ; U4.2@-328.435,9.224 -327.732,9.224 v2(-327.711,9.246) ; U4.1@-328.435,9.874 -327.692,9.874 v2(-327.647,9.83) ; J8.42@-328.206,75.881 v4(-328.206,77.737) ; J10.1@-327.685,24.653 v9(-324.647,24.653) ; v9(-327.025,43.815) C59.2@-326.72,43.815 ; C115.2@-326.669,50.851 -326.669,50.237 C100.2@-326.653,50.22 -326.198,50.22 v9(-326.154,50.264) ; C81.2@-326.653,54.234 -325.633,54.234 v9(-325.247,53.848) ; C102.2@-326.653,54.845 -326.211,54.845 v9(-325.961,54.595) ; v4(-326.492,74.879) -326.263,74.879 -326.056,74.672 J8.40@-326.056,74.131 ; J19.5@-326.365,36.551 v9(-326.365,37.389) ; v9(-325.269,50.62) -325.018,50.871 C119.2@-325.018,51.063 ; v2(-325.056,73.292) J8.38@-325.056,74.131 ; R129.2@-324.71,9.518 v2(-324.71,10.087) ; J19.3@-323.825,36.551 v9(-323.825,37.338) ; D25.1@-323.689,9.523 -323.164,9.523 v2(-323.163,9.524) D24.1@-322.673,9.524 ; v2(-321.556,73.297) J8.31@-321.556,74.131 ; C74.2@-321.34,68.742 -322.098,68.742 v2(-322.242,68.885) -322.115,68.885 -321.623,69.377 C71.2@-321.428,69.377 -321.427,69.376 C70.2@-320.743,69.376 C72.2@-320.065,69.376 -319.541,69.376 -319.151,69.766 v2(-319.151,70.155) ; C114.2@-321.179,55.99 -320.438,55.99 -319.883,55.989 v9(-319.521,56.351) ; C76.2@-320.874,64.111 -320.058,64.111 v2(-319.748,64.42) ; C67.2@-320.074,65.994 v2(-320.074,66.227) ; v2(-320.056,73.297) J8.28@-320.056,74.131 ; v9(-319.565,55.507) -318.902,54.844 C58.2@-318.203,54.844 ; v9(-319.56,43.51) -319.497,43.574 C117.2@-319.32,43.574 ; v9(-319.56,45.911) -319.435,46.036 C123.2@-319.396,46.036 ; v9(-318.643,50.241) -318.224,50.66 C116.2@-318.203,50.66 ; C73.2@-318.61,64.695 -318.61,64.654 v2(-318.465,64.508) ; C68.2@-318.606,65.381 -318.606,65.631 v2(-318.031,66.207) -318.436,66.612 C65.2@-318.436,67.091 ; v2(-318.556,73.052) J8.25@-318.556,74.131 ; C99.2@-318.203,48.118 -318.418,48.334 -318.437,48.334 -318.617,48.514 v9(-318.694,48.514) -318.48,48.727 C120.2@-318.203,48.727 ; C66.2@-317.11,66.037 -316.427,66.037 C69.2@-316.298,66.167 -316.298,65.744 -316.306,65.735 ; R20.2@-317.062,67.934 v2(-317.043,67.934) ; v2(-316.713,65.601) v2@-316.552,65.601 ; J8.19@-315.556,74.131 -315.556,73.139 -315.387,72.969 -315.387,72.471 v2(-315.544,72.314) ; J8.16@-314.056,74.131 -314.056,73.137 v2(-313.817,72.898) ; v2(-312.556,72.365) J8.13@-312.556,74.131 ; v2(-311.056,73.084) J8.10@-311.056,74.131 ; v2(-309.651,42.494) -309.439,42.707 C145.2@-309.439,42.808 ; v2(-309.556,73.127) J8.7@-309.556,74.131 ; -308.483,54.178 -308.377,54.284 C193.2@-307.876,54.284 ; C205.2@-308.379,49.817 -308.242,49.954 -307.932,49.954 -307.703,50.183 -307.434,50.452 C228.2@-307.434,50.471 ; v2(-308.056,73.071) J8.4@-308.056,74.131 ; v2(-307.711,51.781) -307.679,51.749 C182.2@-307.42,51.749 ; v2(-307.696,27.432) -307.696,27.112 -307.281,26.697 D26.1@-307.281,25.346 ; v2(-307.696,47.16) -307.509,47.347 C146.2@-307.509,47.699 -307.506,47.696 C136.2@-306.806,47.696 -306.806,47.574 -306.553,47.32 ; v2(-307.696,50.787) -307.42,51.063 C227.2@-307.42,51.114 ; v9(-307.353,61.511) -307.065,61.223 C173.2@-306.797,61.223 ; C181.2@-307.298,55.876 -307.298,56.052 v2(-307.144,56.205) ; -307.213,54.102 -307.038,54.277 C168.2@-306.823,54.277 ; v2(-307.086,58.057) -306.663,57.634 C174.2@-306.663,56.731 ; J8.1@-306.556,74.131 -306.556,75.206 v4(-306.426,75.336) ; v4(-305.83,75.881) J8.41@-304.406,75.881 ; v2(-305.156,52.219) -305.05,52.325 C195.2@-305.05,52.63 ; C189.2@-304.949,50.649 -304.825,50.649 v2(-304.754,50.719) -304.702,50.772 C162.2@-304.334,50.772 ; C198.2@-304.758,54.606 -304.758,54.957 ; C55.2@-304.559,22.716 -304.504,22.716 v2(-304.317,22.53) ; C171.2@-304.174,55.842 -303.881,55.842 -303.733,55.695 -303.733,54.975 C220.2@-303.596,54.838 -303.441,54.682 C190.2@-302.827,54.682 -302.79,54.682 -302.539,54.432 ; v2(-303.691,54.719) -303.563,54.591 C149.2@-303.563,54.163 ; C142.2@-302.345,55.738 -302.331,55.724 C223.2@-301.684,55.724 -301.684,55.829 -301.43,56.083 -301.371,56.083 ; C218.2@-301.841,52.372 -301.967,52.498 C186.2@-302.497,52.498 ; -301.727,54.712 -301.626,54.611 C222.2@-301.626,54.282 ; C139.2@-301.429,48.718 -301.251,48.718 v2(-301.211,48.758) -301.195,48.743 C138.2@-300.804,48.743 ; v2(-301.229,53.177) -301.262,53.21 -302.131,53.21 C217.2@-302.251,53.09 ; v4(-301.211,75.979) J17.24@-301.211,77.334 ; C148.2@-300.961,61.19 -300.407,61.19 -300.054,60.837 v9(-300.054,60.798) ; -300.693,52.332 C141.2@-300.693,52.68 ; -300.622,51.168 C211.2@-300.622,50.75 -300.622,50.731 -300.622,50.584 -300.507,50.47 ; v2(-300.177,29.896) C264.2@-300.177,30.251 ; v2(-299.847,73.406) -299.415,73.406 -299.161,73.66 J17.1@-299.161,74.187 ; v4(-297.661,73.277) J17.4@-297.661,74.187 ; v2(-297.409,64.008) -297.383,64.033 C95.2@-297.383,64.45 ; v4(-296.266,63.881) -296.148,63.88 -295.919,64.11 C107.2@-295.615,64.11 ; v4(-296.161,73.257) J17.7@-296.161,74.187 ; v4(-294.661,73.258) J17.10@-294.661,74.187 ; C299.2@-294.637,69.493 -294.637,69.803 v4(-294.615,69.825) ; v4(-293.161,73.31) J17.13@-293.161,74.187 ; J17.16@-291.661,74.187 -291.661,73.05 -291.49,72.879 v4(-291.49,72.365) ; J17.19@-290.161,74.187 -290.161,73.448 -289.814,73.101 -289.458,73.101 v4(-289.255,72.898) ; C295.2@-289.882,67.629 v4(-289.882,67.861) ; v4(-288.315,77.673) -288.019,77.377 -287.927,77.377 -287.884,77.334 J17.23@-286.611,77.334 ; v4(-283.515,75.54) -282.98,76.074 J7.6@-282.98,77.886 ; -282.857,32.381 -282.846,32.392 ; -274.58,68.587 J7.4@-274.58,70.486 ; -273.593,77.886 J7.5@-272.18,77.886 ; D15.1@-270.642,44.377 D16.1@-270.642,45.321 D17.1@-270.642,46.28 ; v2(-319.151,70.155) -319.151,70.269 -319.126,70.294 -319.126,70.18 v2(-319.151,70.155) ; C195.2@-305.05,52.63 -304.321,52.63 C176.2@-304.301,52.65 -304.375,52.725 C159.2@-304.375,53.273 -305.115,53.273 v2(-305.168,53.22) -305.05,53.101 C195.2@-305.05,52.63 ; C191.2@-303.01,52.998 -302.863,53.146 -302.307,53.146 C217.2@-302.251,53.09 ; C191.2@-303.01,52.998 -302.953,52.998 v2(-302.694,52.739) ; C191.2@-303.01,52.998 C191.2@-303.14,52.998 -303.14,52.852 v2(-303.253,52.739) -303.12,52.606 C200.2@-303.12,52.376 -302.998,52.498 C186.2@-302.497,52.498 ; v2(-302.694,52.739) -302.344,53.09 C217.2@-302.251,53.09 ; v2(-302.694,52.739) -302.497,52.542 C186.2@-302.497,52.498
  TOP w0.305: -295.021,60.996 -294.79,60.996 C93.2@-294.56,60.767 ; -260.684,30.967 J11.3@-260.684,31.739 -260.096,32.327 ; -258.75,32.344 J11.5@-258.144,31.739 -258.144,31.043
  TOP w0.381: v9(-329.175,44.332) C80.2@-328.577,44.332 ; -327.228,18.009 -327.88,18.009 J16.1@-328.507,18.635 -327.838,19.304 -327.025,19.304 ; R128.2@-321.662,9.528 v2(-321.662,10.033) ; J14.B1@-320.523,6.4 v2(-320.523,7.188) ; C113.2@-312.553,12.328 v2(-312.064,12.328) ; R130.2@-307.492,58.24 -307.269,58.24 v2(-307.086,58.057) ; C178.2@-304.876,35.79 v2(-304.495,35.79) ; D7.1@-293.943,21.404 v9(-293.404,21.404) ; v4(-251.714,20.193) -251.224,19.703 SW1.S3@-251.224,19.421 ; SW3.S1@-251.224,67.175 -251.224,65.829 v4(-251.155,65.761) ; v2(-251.17,9.764) LED11.2@-251.149,9.764 ; LED8.2@-251.149,7.353 LED9.2@-251.149,8.157
  LYR2_GND w0.178: -328.507,19.588 J16.1@-328.507,18.635 -327.554,18.635 ; -316.702,2.077 J6.1@-315.597,2.077 ; -315.597,3.182 J6.1@-315.597,2.077 ; -314.492,2.077 J6.1@-315.597,2.077 ; -311.615,9.804 J13.4@-310.862,9.804 ; -310.862,10.557 J13.4@-310.862,9.804 ; -310.11,9.804 J13.4@-310.862,9.804 ; -298.132,7.791 J4.2@-297.579,7.791 ; -298.132,11.256 J4.8@-297.579,11.256 ; -297.579,7.238 J4.2@-297.579,7.791 ; -297.579,8.344 J4.2@-297.579,7.791 ; -297.579,10.703 J4.8@-297.579,11.256 ; -297.579,11.809 J4.8@-297.579,11.256 ; -297.131,9.523 J4.5@-296.579,9.523 ; -297.131,12.988 J4.11@-296.579,12.988 ; -297.131,16.453 J4.17@-296.579,16.453 ; -297.026,7.791 J4.2@-297.579,7.791 ; -297.026,11.256 J4.8@-297.579,11.256 ; -296.579,8.97 J4.5@-296.579,9.523 ; -296.579,10.076 J4.5@-296.579,9.523 ; -296.579,12.435 J4.11@-296.579,12.988 ; -296.579,13.541 J4.11@-296.579,12.988 ; -296.579,15.9 J4.17@-296.579,16.453 ; -296.579,17.006 J4.17@-296.579,16.453 ; -296.026,9.523 J4.5@-296.579,9.523 ; -296.026,12.988 J4.11@-296.579,12.988 ; -296.026,16.453 J4.17@-296.579,16.453 ; -286.769,16.54 J24.1@-285.816,16.54 ; -285.816,15.587 J24.1@-285.816,16.54 ; -285.816,17.493 J24.1@-285.816,16.54 ; -284.863,16.54 J24.1@-285.816,16.54
  LAY4_PWR1 w0.127: -328.507,19.588 J16.1@-328.507,18.635 -327.554,18.635
  LAY6 w0.097: -286.769,16.54 J24.1@-285.816,16.54 ; -285.816,15.587 J24.1@-285.816,16.54 ; -285.816,17.493 J24.1@-285.816,16.54 ; -284.863,16.54 J24.1@-285.816,16.54
  LYR7_GND w0.178: -328.507,19.791 J16.1@-328.507,18.635 -327.351,18.635 ; -316.906,2.077 J6.1@-315.597,2.077 -314.288,2.077 ; -311.819,9.804 J13.4@-310.862,9.804 -310.862,10.76 ; -286.972,16.54 J24.1@-285.816,16.54 ; -285.816,15.384 J24.1@-285.816,16.54 ; -285.816,17.697 J24.1@-285.816,16.54 ; -284.659,16.54 J24.1@-285.816,16.54
  BOTTOM w0.081: v2(-322.242,68.885) -322.082,68.724 -321.444,68.724 U3.N2@-321.193,68.975 ; v9(-311.747,55.664) -311.658,55.576 -311.658,55.55 -311.577,55.469 -310.46,55.469 U1.Y2@-310.211,55.22
  BOTTOM w0.102: U1.H18@-302.211,49.22 -302.211,49.18 -301.75,48.719 U1.G19@-301.711,48.719 ; C39.2@-265.382,51.906 -265.382,51.616 v2(-265.328,51.562) ; v2(-256.489,59.563) -256.413,59.639 v2@-256.413,59.677